# Altium PCB pqm_v2.PcbDoc (part 1 of 3)
Units mm, origin at the board's own origin, x right, y up, seen from the top; angles counter-clockwise.
Board outline 137 x 84 mm, 2 copper layers (Top Layer, Bottom Layer); 276 components, 232 nets, 965 pads, 175 vias.
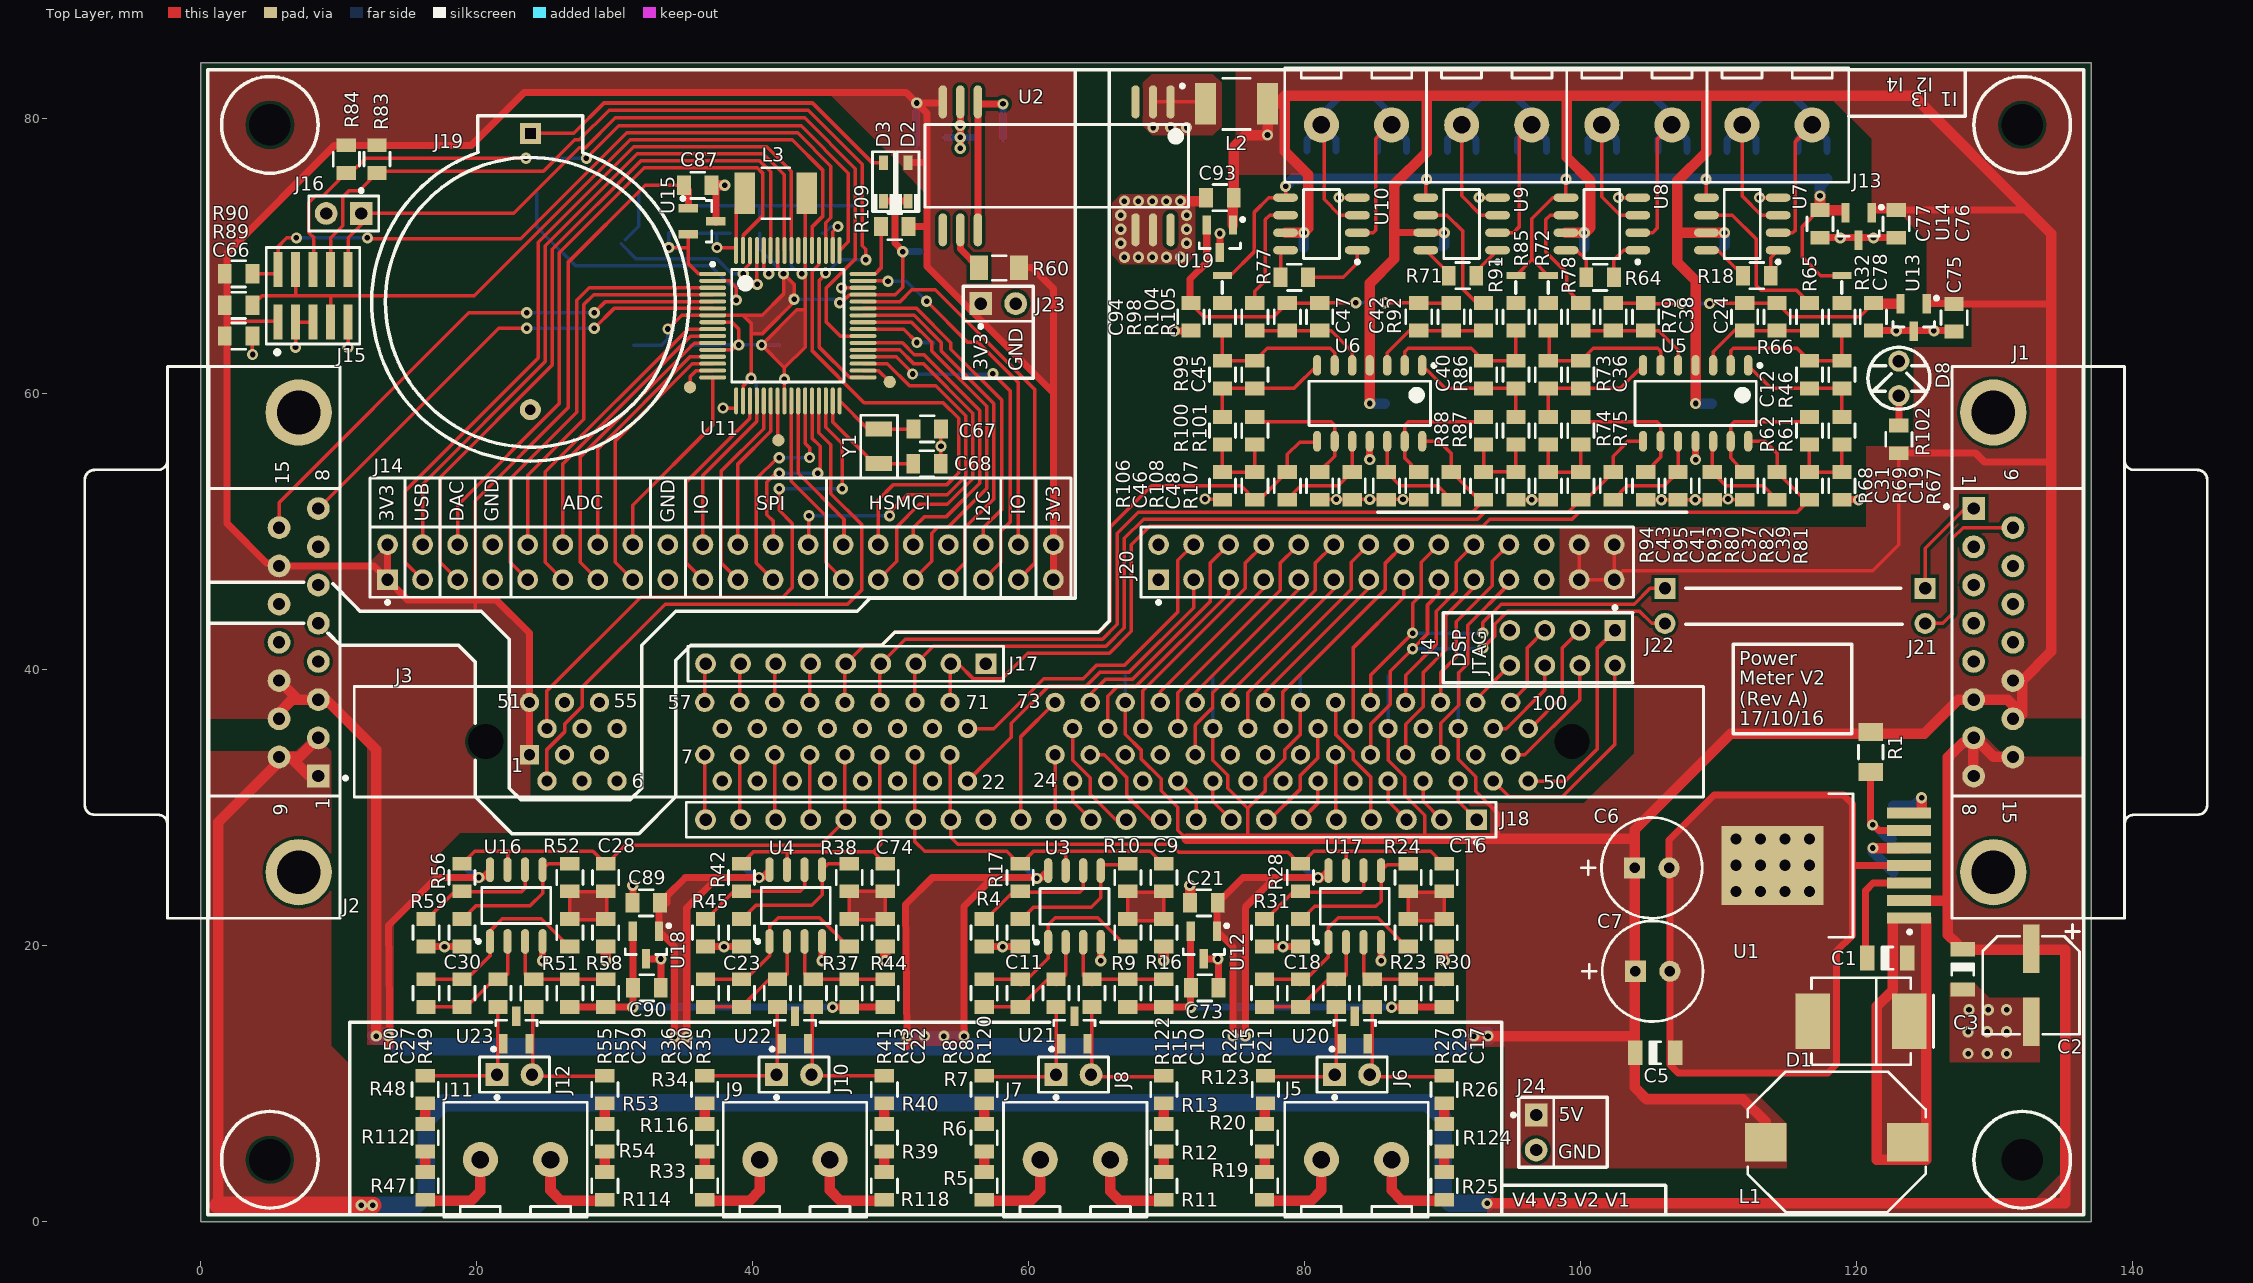
[diagram p0: Top Layer view]
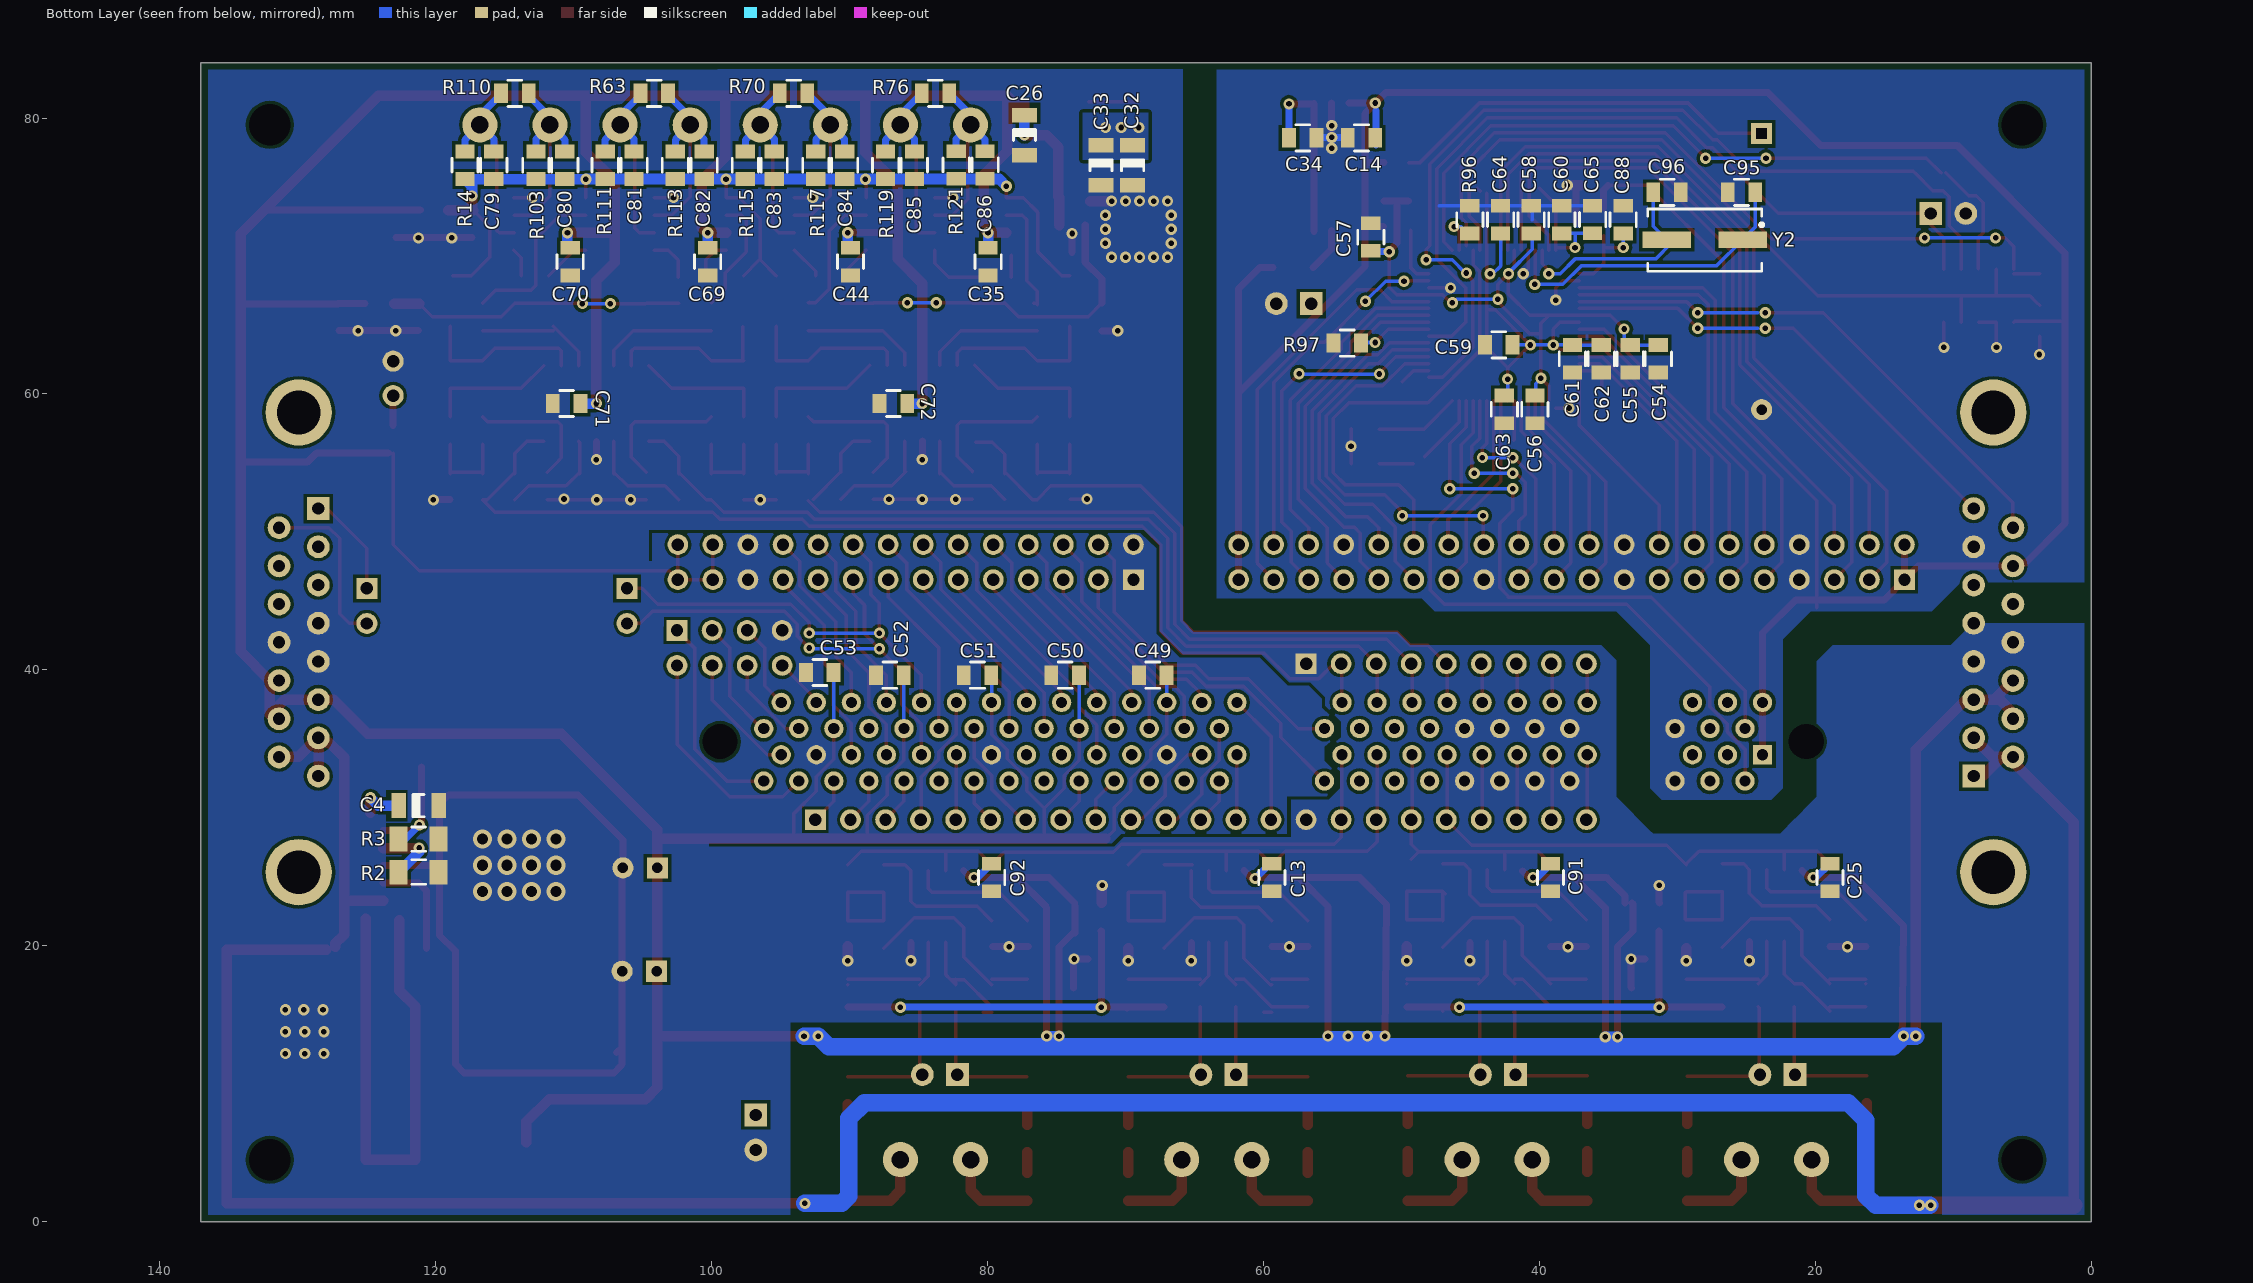
[diagram p1: Bottom Layer view, seen from below]

## Layer stack, top to bottom
Top Solder: solder mask 0.0102, Solder Resist, Dk 3.5
Top Layer: signal copper 0.0356
Dielectric1: dielectric 0.32, FR-4, Dk 4.8
Bottom Layer: signal copper 0.0356
Bottom Solder: solder mask 0.0102, Solder Resist, Dk 3.5

## Board outline
0,0 0,84 137,84 137,0

## Design rules (kind name [scope] priority, off if disabled: settings)
Clearance Clearance_ARM_PAD [InComponent('U11')] p1: gap=0.178 ignorepadtopadclearanceinfootprint=FALSE except(0: Arc-Hole Track-Hole SMDPad-Hole THPad-Hole Via-Hole Fill-Hole Poly-Hole Region-Hole Text-Hole)
Clearance [All] p2: gap=0.229 ignorepadtopadclearanceinfootprint=FALSE except(0: Arc-Hole Track-Hole SMDPad-Hole THPad-Hole Via-Hole Fill-Hole Poly-Hole Region-Hole Text-Hole)
HoleSize [All] p1: absolutevalues=TRUE maxlimit=5.08 minlimit=0.406 maxpercent=80.000 minpercent=20.000
MinimumSolderMaskSliver [All] p1: minsoldermaskwidth=0
PlaneClearance [All] p1: clearance=1.016
PlaneConnect [All] p1: planeconnectstyle=Direct reliefexpansion=0.508 reliefentries=4 reliefconductorwidth=0.254 reliefairgap=0.254
PolygonConnect [All] p1: connectstyle=Direct reliefconductorwidth=0.254 reliefentries=4 polygonreliefangle="90 Angle" airgapwidth=0.254
RoutingVias [All] p1: holewidth=0.406 width=0.813 viastyle="Through Hole" minholewidth=0.406 minwidth=0.813 maxholewidth=0.813 maxwidth=1.397
SilkToSilkClearance [All] p1: silktosilkclearance=0
SilkToSolderMaskClearance SilkscreenOverComponentPads [IsPad] p1: minsilkscreentomaskgap=0 clearancetoexposedcopper=TRUE
SolderMaskExpansion [All] p1: expansion=0.127
Width [All] p1: maxlimit=1.27 minlimit=0.254 preferedwidth=0.254
24 further rules are at their usual default settings.

## Classes and differential pairs
component class pqm_v2_page2: C49 C50 C51 C52 C53 J3 J4 J17 J18 J20 J21 J22
component class pqm_v2_page3: C8 C9 C10 C11 C13 C15 C16 C17 C18 C20 C21 C22 C23 C25 C27 C28 C29 C30 C73 C74 C89 C90 C91 C92 J5 J6 J7 J8 J9 J10 J11 J12 R4 R5 R6 R7 R8 R9 R10 R11 R12 R13 R15 R16 R17 R19 R20 R21 R22 R23 R24 R25 R26 R27 R28 R29 R30 R31 R33 R34 R35 R36 R37 R38 R39 R40 R41 R42 R43 R44 R45 R47 R48 R49 R50 R51 R52 R53 R54 R55 R56 R57 R58 R59 R112 R114 R116 R118 R120 R122 R123 R124 U3 U4 U12 U16 U17 U18 U20 U21 U22 U23
component class pqm_v2_page4: C12 C19 C24 C31 C35 C36 C37 C38 C39 C40 C41 C42 C43 C44 C45 C46 C47 C48 C69 C70 C71 C72 C75 C76 C77 C78 C79 C80 C81 C82 C83 C84 C85 C86 C93 C94 J13 R14 R18 R32 R46 R61 R62 R63 R64 R65 R66 R67 R68 R69 R70 R71 R72 R73 R74 R75 R76 R77 R78 R79 R80 R81 R82 R85 R86 R87 R88 R91 R92 R93 R94 R95 R98 R99 R100 R101 R103 R104 R105 R106 R107 R108 R110 R111 R113 R115 R117 R119 R121 U5 U6 U7 U8 U9 U10 U13 U14 U19
component class pqm_v2_page1: C1 C2 C3 C4 C5 C6 C7 C14 C26 C32 C33 C34 D1 D8 J1 J2 J23 J24 L1 L2 R1 R2 R3 R60 R102 U1 U2
component class pqm_v2_page5: C54 C55 C56 C57 C58 C59 C60 C61 C62 C63 C64 C65 C66 C67 C68 C87 C88 C95 C96 D2 D3 J14 J15 J16 J19 L3 R83 R84 R89 R90 R96 R97 R109 U11 U15 Y1 Y2

## Components (designator, comment, footprint, x,y, rotation, side; value= is the part's Value field where it differs from the comment)
C1 "CAP_C3216X7R2J103K115AA_TDK" CAPC3216X135N_B 122.237,19.113 r0 top
C2 "CAP_EEE-1HA470XP_PANASONIC" CAPAE630770X770N 132.651,17.145 r90 top
C3 "CAP_C3216X7R1E105M085AA_TDK" CAPC3216X135N_B 127.698,18.288 r270 top
C4 "CAP_C3216X7R1E105M085AA_TDK" CAPC3216X135N_B 121.221,30.162 r180 bottom
C5 "CAP_ELXY250ELL121MF15D_UC" CAPPRD250W50D630H1250 105.219,18.161 r270 top
C6 "CAP_ELXY250ELL121MF15D_UC" CAPPRD250W50D630H1250 105.156,25.654 r270 top
C7 "CAP_C3216X7R1E105M085AA_TDK" CAPC3216X135N_B 105.41,12.255 r0 top
C8 "CAP_GRM2195C1H103FA01D_MURATA" CAPC2013X110N 59.372,16.573 r90 top
C9 "CAP_GRM2195C1H103FA01D_MURATA" CAPC2013X110N 69.787,24.956 r90 top
C10 "CAP_GRM2195C1H103FA01D_MURATA" CAPC2013X110N 69.787,16.573 r90 top
C11 "CAP_GRM2195C1H103FA01D_MURATA" CAPC2013X110N 59.372,20.955 r90 top
C12 "CAP_GRM2195C1H103FA01D_MURATA" CAPC2013X110N 116.586,61.404 r270 top
C13 "CAP_CC0805KRX7R8BB104_YAGEO" CAPC2013X110N 59.372,24.956 r270 bottom
C14 "CAP_CC0805KRX7R8BB104_YAGEO" CAPC2013X110N 52.879,78.566 r0 bottom
C15 "CAP_GRM2195C1H103FA01D_MURATA" CAPC2013X110N 79.692,16.573 r90 top
C16 "CAP_GRM2195C1H103FA01D_MURATA" CAPC2013X110N 90.106,24.956 r90 top
C17 "CAP_GRM2195C1H103FA01D_MURATA" CAPC2013X110N 90.106,16.573 r90 top
C18 "CAP_GRM2195C1H103FA01D_MURATA" CAPC2013X110N 79.692,20.955 r90 top
C19 "CAP_GRM2195C1H103FA01D_MURATA" CAPC2013X110N 116.586,53.34 r270 top
C20 "CAP_GRM2195C1H103FA01D_MURATA" CAPC2013X110N 39.179,16.573 r90 top
C21 "CAP_CC0805KKX7R7BB105_YAGEO" CAPC2013X110N 72.692,23.114 r180 top
C22 "CAP_GRM2195C1H103FA01D_MURATA" CAPC2013X110N 49.593,16.573 r90 top
C23 "CAP_GRM2195C1H103FA01D_MURATA" CAPC2013X110N 39.179,20.955 r90 top
C24 "CAP_GRM2195C1H103FA01D_MURATA" CAPC2013X110N 111.887,65.596 r270 top
C25 "CAP_CC0805KRX7R8BB104_YAGEO" CAPC2013X110N 18.923,24.956 r270 bottom
C26 "CAP_C3216X7R1E105M085AA_TDK" CAPC3216X135N_B 77.307,78.768 r270 bottom
C27 "CAP_GRM2195C1H103FA01D_MURATA" CAPC2013X110N 18.923,16.573 r90 top
C28 "CAP_GRM2195C1H103FA01D_MURATA" CAPC2013X110N 29.337,24.956 r90 top
C29 "CAP_GRM2195C1H103FA01D_MURATA" CAPC2013X110N 29.337,16.573 r90 top
C30 "CAP_GRM2195C1H103FA01D_MURATA" CAPC2013X110N 18.923,20.955 r90 top
C31 "CAP_GRM2195C1H103FA01D_MURATA" CAPC2013X110N 111.887,53.34 r90 top
C32 "CAP_C3216X7R1E105M085AA_TDK" CAPC3216X135N_B 69.469,76.581 r270 bottom
C33 "CAP_CC1206KKX7R7BB225_YAGEO" CAPC3216X135N_B 71.755,76.581 r270 bottom
C34 "CAP_CC0805KKX7R7BB105_YAGEO" CAPC2013X110N 57.134,78.566 r180 bottom
C35 "CAP_CC0805KRX7R8BB104_YAGEO" CAPC2013X110N 79.947,69.596 r270 bottom
C36 "CAP_GRM2195C1H103FA01D_MURATA" CAPC2013X110N 100.013,61.404 r270 top
C37 "CAP_GRM2195C1H103FA01D_MURATA" CAPC2013X110N 100.013,53.34 r270 top
C38 "CAP_GRM2195C1H103FA01D_MURATA" CAPC2013X110N 104.712,65.596 r270 top
C39 "CAP_GRM2195C1H103FA01D_MURATA" CAPC2013X110N 104.712,53.34 r90 top
C40 "CAP_GRM2195C1H103FA01D_MURATA" CAPC2013X110N 92.964,61.404 r270 top
C41 "CAP_GRM2195C1H103FA01D_MURATA" CAPC2013X110N 92.964,53.34 r270 top
C42 "CAP_GRM2195C1H103FA01D_MURATA" CAPC2013X110N 88.265,65.596 r270 top
C43 "CAP_GRM2195C1H103FA01D_MURATA" CAPC2013X110N 88.265,53.34 r90 top
C44 "CAP_CC0805KRX7R8BB104_YAGEO" CAPC2013X110N 89.916,69.596 r270 bottom
C45 "CAP_GRM2195C1H103FA01D_MURATA" CAPC2013X110N 76.391,61.404 r270 top
C46 "CAP_GRM2195C1H103FA01D_MURATA" CAPC2013X110N 76.391,53.34 r270 top
C47 "CAP_GRM2195C1H103FA01D_MURATA" CAPC2013X110N 81.09,65.596 r270 top
C48 "CAP_GRM2195C1H103FA01D_MURATA" CAPC2013X110N 81.09,53.34 r90 top
C49 "CAP_CC0805KRX7R8BB104_YAGEO" CAPC2013X110N 68.008,39.624 r0 bottom
C50 "CAP_CC0805KRX7R8BB104_YAGEO" CAPC2013X110N 74.358,39.624 r0 bottom
C51 "CAP_CC0805KRX7R8BB104_YAGEO" CAPC2013X110N 80.709,39.624 r0 bottom
C52 "CAP_CC0805KRX7R8BB104_YAGEO" CAPC2013X110N 87.058,39.624 r0 bottom
C53 "CAP_CC0805KRX7R8BB104_YAGEO" CAPC2013X110N 92.138,39.814 r0 bottom
C54 "CAP_C2012X6S1C106K085AC_TDK" CAPC2013X110N 31.369,62.547 r270 bottom
C55 "CAP_CC0805KRX7R8BB104_YAGEO" CAPC2013X110N 33.401,62.547 r270 bottom
C56 "CAP_CC0805KRX7R8BB104_YAGEO" CAPC2013X110N 40.306,58.881 r270 bottom
C57 "CAP_CC0805KRX7R8BB104_YAGEO" CAPC2013X110N 52.197,71.374 r90 bottom
C58 "CAP_CC0805KRX7R8BB104_YAGEO" CAPC2013X110N 40.577,72.637 r90 bottom
C59 "CAP_C2012X6S1C106K085AC_TDK" CAPC2013X110N 42.926,63.563 r0 bottom
C60 "CAP_C2012X6S1C106K085AC_TDK" CAPC2013X110N 38.355,72.637 r90 bottom
C61 "CAP_CC0805KRX7R8BB104_YAGEO" CAPC2013X110N 37.592,62.547 r90 bottom
C62 "CAP_CC0805KRX7R8BB104_YAGEO" CAPC2013X110N 35.496,62.547 r90 bottom
C63 "CAP_CC0805KRX7R8BB104_YAGEO" CAPC2013X110N 42.529,58.881 r90 bottom
C64 "CAP_CC0805KRX7R8BB104_YAGEO" CAPC2013X110N 42.8,72.637 r270 bottom
C65 "CAP_CC0805KRX7R8BB104_YAGEO" CAPC2013X110N 36.131,72.644 r270 bottom
C66 "CAP_CC0805KRX7R8BB104_YAGEO" CAPC2013X110N 2.73,64.198 r0 top
C67 "CAP_C0805X150J5GACTU_KEMET" CAPC2013X110N 52.642,57.468 r0 top
C68 "CAP_C0805X150J5GACTU_KEMET" CAPC2013X110N 52.621,54.94 r0 top
C69 "CAP_CC0805KRX7R8BB104_YAGEO" CAPC2013X110N 100.266,69.596 r270 bottom
C70 "CAP_CC0805KRX7R8BB104_YAGEO" CAPC2013X110N 110.236,69.596 r270 bottom
C71 "CAP_CC0805KRX7R8BB104_YAGEO" CAPC2013X110N 110.49,59.309 r0 bottom
C72 "CAP_CC0805KRX7R8BB104_YAGEO" CAPC2013X110N 86.804,59.309 r0 bottom
C73 "CAP_CC0805KKX7R7BB105_YAGEO" CAPC2013X110N 72.755,16.954 r0 top
C74 "CAP_GRM2195C1H103FA01D_MURATA" CAPC2013X110N 49.593,24.956 r90 top
C75 "CAP_CC0805KKX7R7BB105_YAGEO" CAPC2013X110N 127.063,65.532 r270 top
C76 "CAP_CC0805KKX7R7BB105_YAGEO" CAPC2013X110N 122.872,72.326 r270 top
C77 "CAP_CC0805KKX7R7BB105_YAGEO" CAPC2013X110N 117.348,72.326 r270 top
C78 "CAP_CC0805KKX7R7BB105_YAGEO" CAPC2013X110N 121.221,65.596 r270 top
C79 "CAP_CC0805JRNPO9BN101_YAGEO" CAPC2013X110N 115.76,76.581 r270 bottom
C80 "CAP_CC0805JRNPO9BN101_YAGEO" CAPC2013X110N 110.617,76.581 r90 bottom
C81 "CAP_CC0805JRNPO9BN101_YAGEO" CAPC2013X110N 105.6,76.581 r270 bottom
C82 "CAP_CC0805JRNPO9BN101_YAGEO" CAPC2013X110N 100.52,76.581 r90 bottom
C83 "CAP_CC0805JRNPO9BN101_YAGEO" CAPC2013X110N 95.441,76.581 r270 bottom
C84 "CAP_CC0805JRNPO9BN101_YAGEO" CAPC2013X110N 90.337,76.581 r90 bottom
C85 "CAP_CC0805JRNPO9BN101_YAGEO" CAPC2013X110N 85.281,76.581 r270 bottom
C86 "CAP_CC0805JRNPO9BN101_YAGEO" CAPC2013X110N 80.161,76.598 r90 bottom
C87 "CAP_CC0805KKX7R7BB105_YAGEO" CAPC2013X110N 36.005,75.12 r0 top
C88 "CAP_CC0805KKX7R7BB105_YAGEO" CAPC2013X110N 33.91,72.637 r90 bottom
C89 "CAP_CC0805KKX7R7BB105_YAGEO" CAPC2013X110N 32.271,23.114 r180 top
C90 "CAP_CC0805KKX7R7BB105_YAGEO" CAPC2013X110N 32.322,16.954 r0 top
C91 "CAP_CC0805KRX7R8BB104_YAGEO" CAPC2013X110N 39.179,24.956 r270 bottom
C92 "CAP_CC0805KRX7R8BB104_YAGEO" CAPC2013X110N 79.692,24.956 r270 bottom
C93 "CAP_CC0805KKX7R7BB105_YAGEO" CAPC2013X110N 73.85,74.231 r180 top
C94 "CAP_CC0805KKX7R7BB105_YAGEO" CAPC2013X110N 71.755,65.596 r270 top
C95 "CAP_C0805X150J5GACTU_KEMET" CAPC2013X110N 25.336,74.612 r0 bottom
C96 "CAP_C0805X150J5GACTU_KEMET" CAPC2013X110N 30.734,74.612 r180 bottom
D1 "DIO_SK36_MICROCOM" DIOM7959X262N 120.332,14.541 r180 top
D2 "DIO_DB2J20900L_PANASONIC" SOD2512X097N 51.244,75.374 r90 top
D3 "DIO_DB2J20900L_PANASONIC" SOD2512X097N 49.466,75.374 r90 top
D8 "LED" LED 123.063,59.88 r90 top
J1 "CON_DB_15" 788757-1 139.408,42 r270 top
J2 "CON_DB_15" 788757-1 -2.413,42 r90 top
J3 "DIM 100 - F28335" DIMM1.27-2V100 60.008,34.798 r0 top
J4 "CON_Header_2X4" HDR2X4 102.489,42.862 r180 top
J5 "HeaderX2" PHOENIX_1729128 83.757,4.508 r0 top
J6 "CON_RADX2" RAD2 83.439,10.668 r0 top
J7 "HeaderX2" PHOENIX_1729128 63.373,4.508 r0 top
J8 "CON_RADX2" RAD2 63.246,10.668 r0 top
J9 "HeaderX2" PHOENIX_1729128 43.053,4.508 r0 top
J10 "CON_RADX2" RAD2 42.989,10.668 r0 top
J11 "HeaderX2" PHOENIX_1729128 22.796,4.508 r0 top
J12 "CON_RADX2" RAD2 22.733,10.668 r0 top
J13 "HeaderX8" BORNERAX8 116.776,79.502 r180 top
J14 "CON_HeaderX40" HEADERX70 56.706,47.816 r0 top
J15 "CON_20021121-00010C4LF_FCI" FCI_20021121-00010C4LF 8.128,67.12 r90 top
J16 "CON_RADX2" RAD2 10.351,73.088 r180 top
J17 "COM_HeaderX9" HDRX9 56.896,40.45 r180 top
J18 "Header_DSP_1" HEADER_DSP_1 92.456,29.146 r180 top
J19 "CON_BAT" CON_BAT_2032 23.876,66.642 r90 top
J20 "CON_HeaderX30" HEADERX30 87.185,49.085 r0 top
J21 "CON_RADX2b" RAD2B 124.968,44.64 r270 top
J22 "CON_RADX2b" RAD2B 106.108,44.64 r270 top
J23 "CON_RADX2" RAD2 57.785,66.548 r0 top
J24 "CON_RADX2" RAD2 96.774,6.477 r270 top
L1 "MAG_SRR1005-100M_BOURNS" MAG_INDUCTOR2A 118.554,5.779 r180 top
L2 "MAG_CM453232-100KLCT_BOURNS" INDC4532X170N 75.057,81.026 r180 top
L3 "MAG_CM453232-100KLCT_BOURNS" INDC4532X170N 41.656,74.549 r180 top
R1 "RES_ERJ-8ENF2551V_Panasonic" RESC3216N 121.031,34.036 r270 top
R2 "RES_ERJ-8GEYJ822V_Panasonic" RESC3216N 121.221,25.336 r0 bottom
R3 "RES_ERJ-8ENF7321V_Panasonic" RESC3216N 121.221,27.749 r180 bottom
R4 "RES_RC0805FR-0710KL_YAGEO" RESC2013X065BN 56.769,20.955 r270 top
R5 "RES_RC0805FR-07412KL_YAGEO" RESC2013X065BN 56.769,2.603 r270 top
R6 "RES_RC0805FR-07412KL_YAGEO" RESC2013X065BN 56.769,6.096 r270 top
R7 "RES_RC0805FR-07412KL_YAGEO" RESC2013X065BN 56.769,9.588 r270 top
R8 "RES_RC0805FR-074K7L_YAGEO" RESC2013X065BN 56.769,16.573 r270 top
R9 "RES_RC0805FR-079K31L_YAGEO" RESC2013X065BN 67.183,20.955 r270 top
R10 "RES_RC0805FR-074K7L_YAGEO" RESC2013X065BN 67.183,24.956 r270 top
R11 "RES_RC0805FR-07412KL_YAGEO" RESC2013X065BN 69.787,2.603 r270 top
R12 "RES_RC0805FR-07412KL_YAGEO" RESC2013X065BN 69.787,6.096 r270 top
R13 "RES_RC0805FR-07412KL_YAGEO" RESC2013X065BN 69.787,9.588 r270 top
R14 "RES_RC0805FR-07510KL_YAGEO" RESC2013X065BN 117.856,76.581 r90 bottom
R15 "RES_RC0805FR-074K7L_YAGEO" RESC2013X065BN 67.183,16.573 r270 top
R16 "RES_RC0805FR-079K31L_YAGEO" RESC2013X065BN 69.787,20.955 r90 top